# KiCad board HPM6750_COMBO_RevB .kicad_pcb (continued)
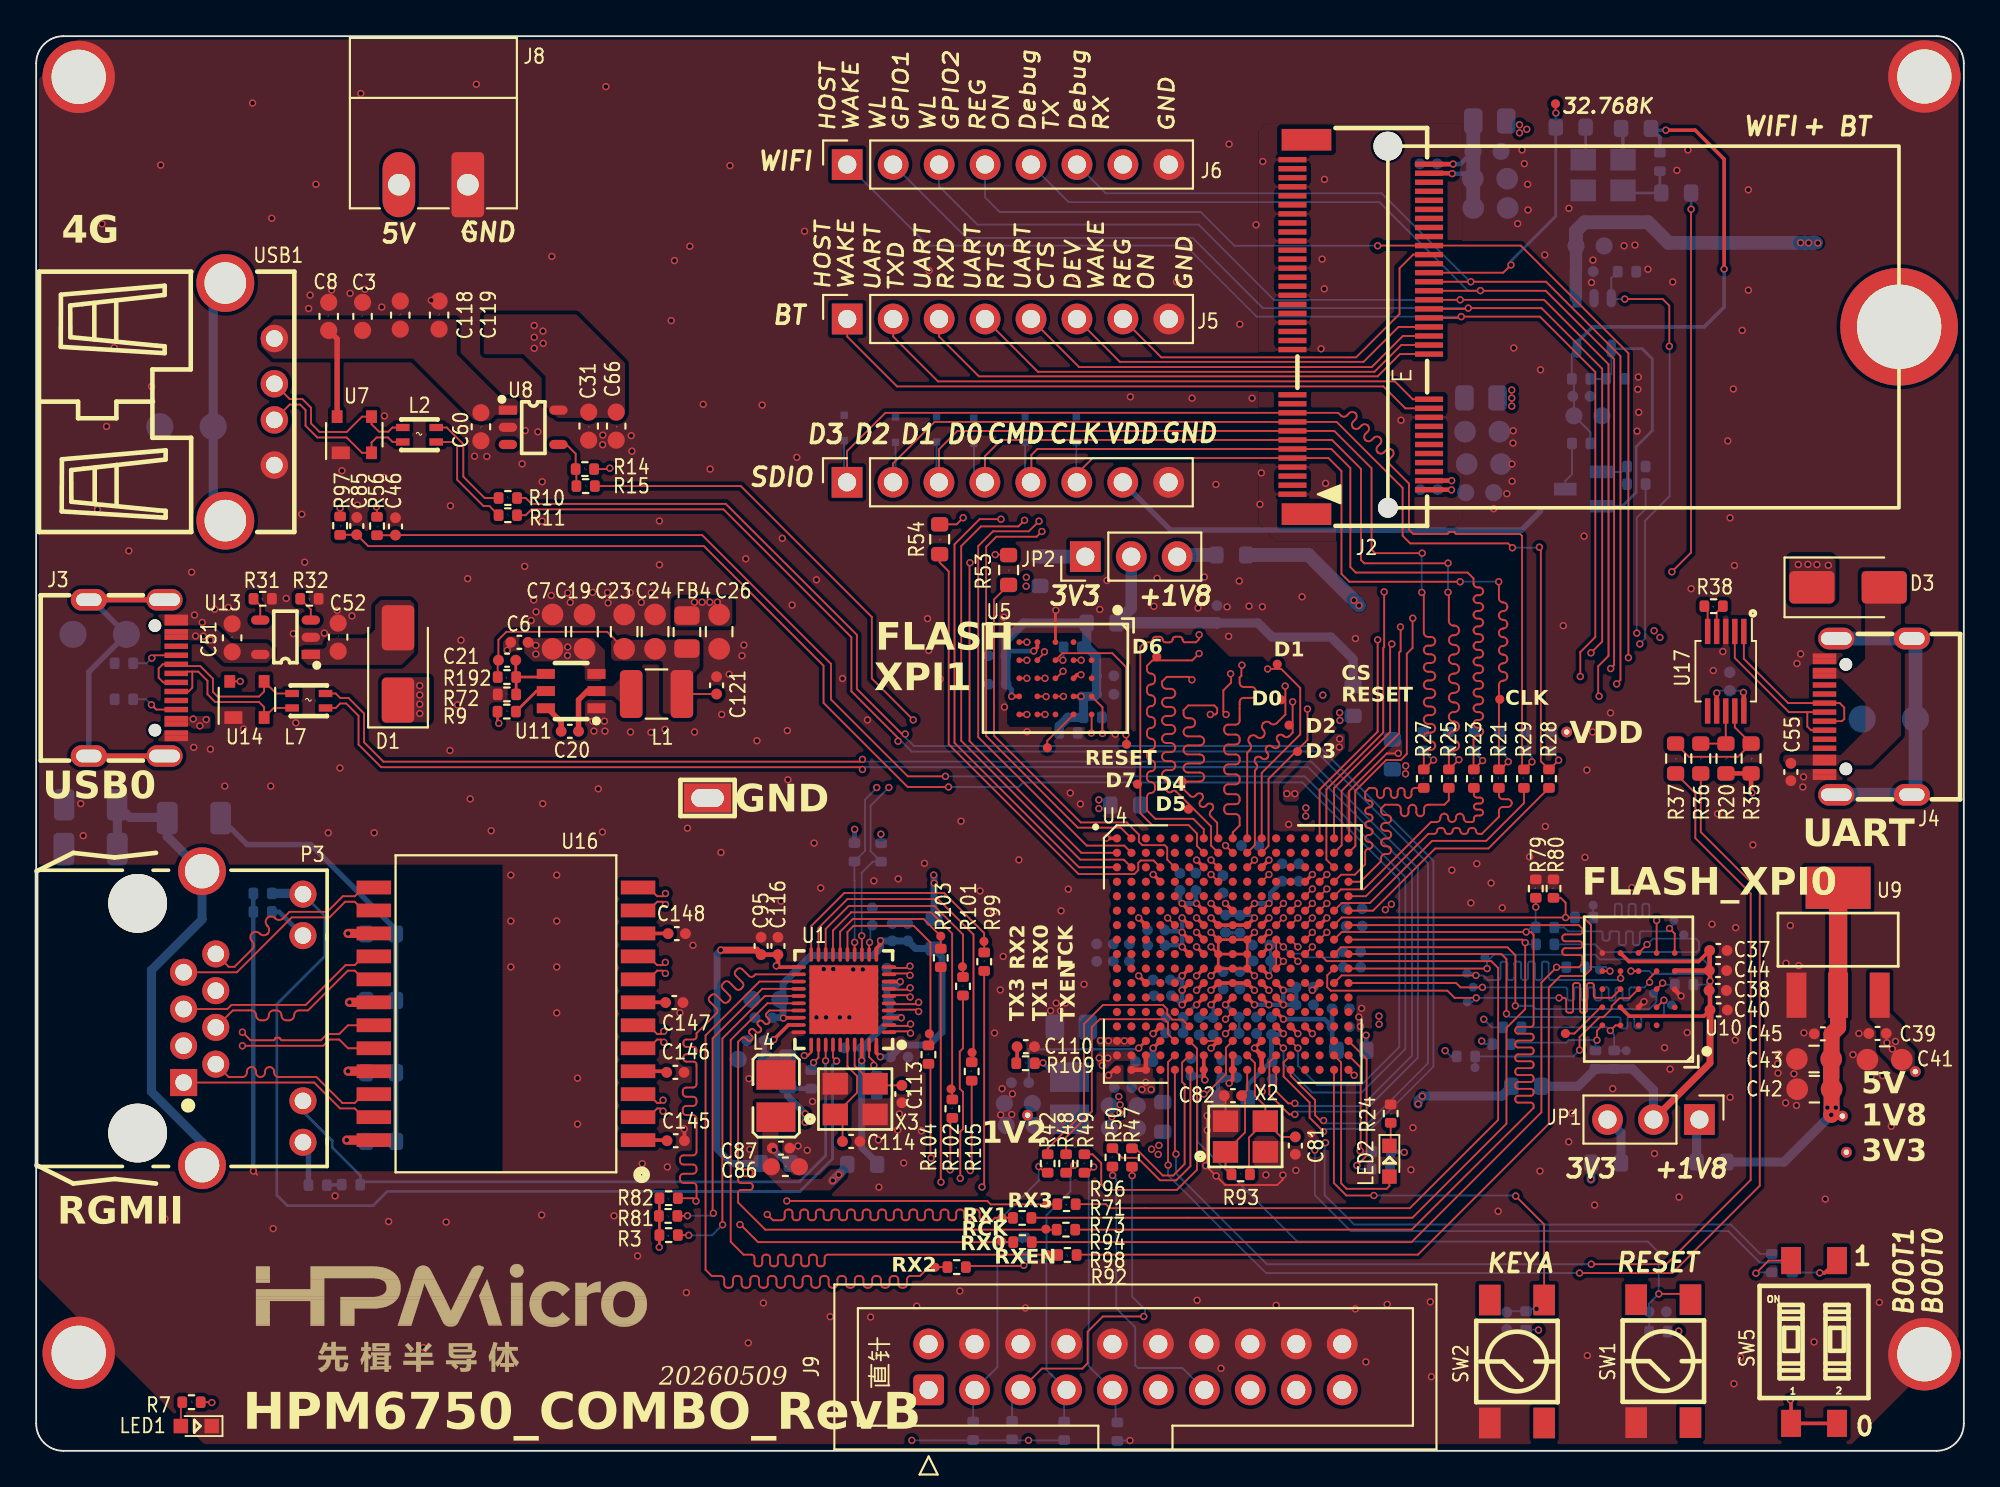
[diagram p0: board, top side]
## Library data of the parts
C1 C4 C6 C13 C15 C17 C20 C22 C33 C36-C40 C45 C46 C48 C49 C53 C54 C56 C58 C61 C68 C70 C72 C74 C77 C79 C84 C85 C87-C89 C91-C95 C97 C100 C101 C103-C105 C112 C117 C121 = -: Company: SAMSUNG(三星); Model: CL05B104KO5NNNC; ki_fp_filters: C_*
C2 C18 C25 C28 C30 C34 C44 C55 C59 C65 C67 C69 C71 C73 C76 C78 C80 C83 C106 C109 C122 = -: Company: SAMSUNG(三星); Model: CL05A106MP5NUNC; ki_fp_filters: C_*
C3 C8 C31 C51 C52 C60 C66 C118 C119 = -: Company: SAMSUNG(三星); Model: CL10A106KO8NQNC; ki_fp_filters: C_*
C5 C7 C9 C19 C23 C24 C26 C29 C32 C41-C43 = -: Company: SAMSUNG(三星); Model: CL21A226MOQNNNE; ki_fp_filters: C_*
C10 C35 = -: Company: FH(风华); Model: 0603X105K100NT
C16 C27 C115 = -: Company: SAMSUNG(三星); Model: CL05A475MP5NRNC; ki_fp_filters: C_*
C21 = -: Company: SAMSUNG(三星); Model: CL05C220JB5NNNC; ki_fp_filters: C_*
C47 C57 C149 C150 C161 = -: Company: FH(风华); Model: 1206B102K202NT; ki_fp_filters: C_*
C50 C62-C64 = -: ki_fp_filters: C_*
C75 C99 C116 = -: Company: SAMSUNG(三星); Model: CL05A226MQ6ZUN8; ki_fp_filters: C_*
C81 C82 = -: Company: YAGEO(国巨); Model: CC0402JRNPO9BN120; ki_fp_filters: C_*
C86 C90 C96 C98 C102 C111 C120 = -: Company: SAMSUNG(三星); Model: CL10A226MP8NUNE; ki_fp_filters: C_*
C107 C108 C145-C148 = -: Company: SAMSUNG(三星); Model: CL05B103KB5NNNC; ki_fp_filters: C_*
C110 = -: Company: SAMSUNG(三星); Model: CL05B222KB5NNNC; ki_fp_filters: C_*
C113 C114 = -: Company: YAGEO(国巨); Model: CC0402JRNPO9BN180; ki_fp_filters: C_*
D1 D3 = -: Company: YANGJIE(扬杰)
D4 D6-D10 = -: Company: DIODES(美台); Model: D1213A-01T-7; ki_fp_filters: TO-???* *_Diode_* *SingleDiode* D_*
FB1-FB3 FB5-FB8 = -: Company: Sunlord(顺络); Model: PZ1608D101-2R0TF; ki_fp_filters: Inductor_* L_* *Ferrite*
FB4 = -: Company: Sunlord(顺络); Model: PZ2012U101-2R0TF; ki_fp_filters: Inductor_* L_* *Ferrite*
FB9-FB12 = -: Company: muRata(村田); Model: BLM18KG601SN1D; ki_fp_filters: Inductor_* L_* *Ferrite*
H2-H5 = -: ki_fp_filters: MountingHole*Pad*
J1 J5 J6 = -: Company: BOOMELE(博穆精密); Model: 2.54-1*8P母; ki_fp_filters: Connector*:*_1x??_*
J2 = -: Company: FOXCONN(富士康)
J3 J4 = -: Company: kinghelm(金航标); Model: KH-TYPE-C-16P
J7 = -: ASSY_OPT: DNP; Company: Keystone; Model: 4952
J8 = -: Company: KEFA(科发); Model: KF2EDGR-3.81-2P; ki_fp_filters: Connector*:*_1x??_*
J9 = -: Company: BOOMELE(博穆精密); Model: 2.54-2*10P简牛; ki_fp_filters: IDC*Header*P2.54mm* PinHeader*2x10*P2.54mm*
JP1 JP2 = -: Model: 跳帽; ki_fp_filters: Jumper* TestPoint*3Pads* TestPoint*Bridge*
L1 = -: Company: muRata(村田); Model: DFE322512F-4R7M=P2
L2 L7 = -: Company: muRata(村田)
L3 L4 = -: Company: muRata(村田); Model: DFE252010F-4R7M
LED1 = -: Company: 国星光电; Model: NCD0603R1
LED2 = -: Company: 国星光电; Model: NCD0603C1
P3 = -: Company: BOOMELE(博穆精密); Model: RJ45-B-1*1
Q1 = -: Company: CJ(江苏长电/长晶)
R2 R8 R16-R19 = -: Company: UNI-ROYAL(厚声); Model: 0402WGF3002TCE; ki_fp_filters: R_*
R3 R74 R76 R77 R79-R83 R91 R154 R156 = -: Company: UNI-ROYAL(厚声); Model: 0402WGF4701TCE; ki_fp_filters: R_*
R4 R9 R12-R14 R22 R26 R31 R39 R41 R57 R59-R61 R72 R75 = -: Company: UNI-ROYAL(厚声); Model: 0402WGF1002TCE; ki_fp_filters: R_*
R7 = -: Company: UNI-ROYAL(厚声); Model: 0402WGF1001TCE; ki_fp_filters: R_*
R10 R11 R84-R90 R98 = -: Company: YAGEO(国巨); Model: RC0402JR-070RL; ki_fp_filters: R_*
R15 = -: ASSY_OPT: DNP; Company: YAGEO(国巨); Model: RC0402JR-070RL; ki_fp_filters: R_*
R20 R35 = -: Company: YAGEO; Model: RC0603FR-0710KL; ki_fp_filters: R_*
R21 R23 R25 R27-R29 = -: Company: UNI-ROYAL(厚声); Model: 0402WGF330JTCE; ki_fp_filters: R_*
R24 R38 = -: Company: UNI-ROYAL(厚声); Model: 0402WGF2001TCE; ki_fp_filters: R_*
R30 = -: Company: UNI-ROYAL(厚声); Model: 0402WGF1602TCE; ki_fp_filters: R_*
R32 R155 R157 = -: Company: UNI-ROYAL(厚声); Model: 0402WGF3300TCE; ki_fp_filters: R_*
R33 R34 = -: ASSY_OPT: DNP; Company: UNI-ROYAL(厚声); Model: 0402WGF5101TCE; ki_fp_filters: R_*
R36 R37 = -: Company: UNI-ROYAL(厚声); Model: 0603WAF100JT5E
R40 R69 = -: Company: YAGEO(国巨); Model: RC0402FR-0710K5L; ki_fp_filters: R_*
R42 R44 R47-R51 R448-R450 = -: ki_fp_filters: R_*
R43 = -: Company: UNI-ROYAL(厚声); Model: 0402WGF5101TCE; ki_fp_filters: R_*
R45 R95 R192 = -: Company: UNI-ROYAL(厚声); Model: 0402WGF1003TCE; ki_fp_filters: R_*
R46 R53 R54 R58 R62-R64 R67 R68 = -: Company: UNI-ROYAL(厚声); Model: 0603WAF0000T5E; ki_fp_filters: R_*
R56 R97 R109 = -: Company: UNI-ROYAL(厚声); Model: 0402WGF100JTCE; ki_fp_filters: R_*
R65 R66 R100 = -: Company: FH(风华); Model: RS-05000JT; ki_fp_filters: R_*
R70 = -: Company: YAGEO; Model: RC0603FR-07100RL; ki_fp_filters: R_*
R71 R73 R92 R94 R96 R99 R101-R105 = -: Company: UNI-ROYAL(厚声); Model: 0402WGF220JTCE; ki_fp_filters: R_*
R78 = -: Company: FH(风华); Model: RC-02W2491FT; ki_fp_filters: R_*
R93 = -: Company: UNI-ROYAL(厚声); Model: CQ02WGJ0105TCE; ki_fp_filters: R_*
R158-R161 = -: Company: UNI-ROYAL(厚声); Model: 0603WAF750JT5E; ki_fp_filters: R_*
SW1 = -: Company: E-Switch; Model: TL3305AF260QG
SW2 = -: Company: SHOU HAN(首韩); Model: TS4540TP
SW5 = -: Company: 圜达; Model: DM-02-V
TP1-TP22 TP24-TP27 TP32-TP47 = -: ki_fp_filters: Pin* Test*
U3 = -: Company: 思瑞浦-3PEAK
U5 U10 = -: Company: Winbond; ki_fp_filters: BGA24C100P5X5_600X800X120
U7 = -: Company: TECH PUBLIC(台舟)
U8 = -: Company: DIODES(美台)
U9 = -: Company: UMW(友台半导体); ki_fp_filters: SOT?223*TabPin2*
U11 = -: Company: TI(德州仪器)
U13 = -: Company: 平芯微
U14 = -: COMPONENTLINK1DESCRIPTION: ErpDataInfo; COMPONENTLINK1URL: http://erp.zlgmcu.com/ErpExt/ErpData/ListMateriel.aspx?pkey=1.05.10.0153; Company: TECH PUBLIC(台舟); ROHS: RoHS; 厂商: NXP; 名称: 集成电路; 器件优选方案: 量产物料,优先选用; 封装: SOT-143B; 物料代码: 1.05.10.0153; 设备封装名称: SOT-143B_PRTR5V0U2X; 贴片和直插: SMT
U16 = -: Company: PULSE; Model: H5007NL
U17 = -: Company: WCH(南京沁恒); ki_fp_filters: MSOP*3x3mm*P0.5mm*
X1 = -: Company: YXC(扬兴晶振); Model: OK322532.768KJBA4SL
X2 = -: Company: EPSON(爱普生); Model: X1E0000210129
X3 = -: Company: YXC(扬兴晶振); Model: X322525MOB4SI

## Footprints (pads in the part's own frame, mm; a bottom-side part is the same pattern mirrored in y, then rotated)
3225
  rect 1.4x1.2 smd: 1(-1.1,-0.85) 2(1.1,-0.85) 3(1.1,0.85) 4(-1.1,0.85)
BGA-289_17x17_14.0x14.0mm_P0.8mm
  round 0.45 smd: A1(-6.4,6.4) A2(-5.6,6.4) A3(-4.8,6.4) A4(-4,6.4) A5(-3.2,6.4) A6(-2.4,6.4) A7(-1.6,6.4) A8(-0.8,6.4) A9(0,6.4) A10(0.8,6.4) A11(1.6,6.4) A12(2.4,6.4) A13(3.2,6.4) A14(4,6.4) A15(4.8,6.4) A16(5.6,6.4) A17(6.4,6.4) B1(-6.4,5.6) B2(-5.6,5.6) B3(-4.8,5.6) B4(-4,5.6) B5(-3.2,5.6) B6(-2.4,5.6) B7(-1.6,5.6) B8(-0.8,5.6) B9(0,5.6) B10(0.8,5.6) B11(1.6,5.6) B12(2.4,5.6) B13(3.2,5.6) B14(4,5.6) B15(4.8,5.6) B16(5.6,5.6) B17(6.4,5.6) C1(-6.4,4.8) C2(-5.6,4.8) C3(-4.8,4.8) C4(-4,4.8) C5(-3.2,4.8) C6(-2.4,4.8) C7(-1.6,4.8) C8(-0.8,4.8) C9(0,4.8) C10(0.8,4.8) C11(1.6,4.8) C12(2.4,4.8) C13(3.2,4.8) C14(4,4.8) C15(4.8,4.8) C16(5.6,4.8) C17(6.4,4.8) D1(-6.4,4) D2(-5.6,4) D3(-4.8,4) D4(-4,4) D5(-3.2,4) D6(-2.4,4) D7(-1.6,4) D8(-0.8,4) D9(0,4) D10(0.8,4) D11(1.6,4) D12(2.4,4) D13(3.2,4) D14(4,4) D15(4.8,4) D16(5.6,4) D17(6.4,4) E1(-6.4,3.2) E2(-5.6,3.2) E3(-4.8,3.2) E4(-4,3.2) E5(-3.2,3.2) E6(-2.4,3.2) E7(-1.6,3.2) E8(-0.8,3.2) E9(0,3.2) E10(0.8,3.2) E11(1.6,3.2) E12(2.4,3.2) E13(3.2,3.2) E14(4,3.2) E15(4.8,3.2) E16(5.6,3.2) E17(6.4,3.2) F1(-6.4,2.4) F2(-5.6,2.4) F3(-4.8,2.4) F4(-4,2.4) F5(-3.2,2.4) F6(-2.4,2.4) F7(-1.6,2.4) F8(-0.8,2.4) F9(0,2.4) F10(0.8,2.4) F11(1.6,2.4) F12(2.4,2.4) F13(3.2,2.4) F14(4,2.4) F15(4.8,2.4) F16(5.6,2.4) F17(6.4,2.4) G1(-6.4,1.6) G2(-5.6,1.6) G3(-4.8,1.6) G4(-4,1.6) G5(-3.2,1.6) G6(-2.4,1.6) G7(-1.6,1.6) G8(-0.8,1.6) G9(0,1.6) G10(0.8,1.6) G11(1.6,1.6) G12(2.4,1.6) G13(3.2,1.6) G14(4,1.6) G15(4.8,1.6) G16(5.6,1.6) G17(6.4,1.6) H1(-6.4,0.8) H2(-5.6,0.8) H3(-4.8,0.8) H4(-4,0.8) H5(-3.2,0.8) H6(-2.4,0.8) H7(-1.6,0.8) H8(-0.8,0.8) H9(0,0.8) H10(0.8,0.8) H11(1.6,0.8) H12(2.4,0.8) H13(3.2,0.8) H14(4,0.8) H15(4.8,0.8) H16(5.6,0.8) H17(6.4,0.8) J1(-6.4,0) J2(-5.6,0) J3(-4.8,0) J4(-4,0) J5(-3.2,0) J6(-2.4,0) J7(-1.6,0) J8(-0.8,0) J9(0,0) J10(0.8,0) J11(1.6,0) J12(2.4,0) J13(3.2,0) J14(4,0) J15(4.8,0) J16(5.6,0) J17(6.4,0) K1(-6.4,-0.8) K2(-5.6,-0.8) K3(-4.8,-0.8) K4(-4,-0.8) K5(-3.2,-0.8) K6(-2.4,-0.8) K7(-1.6,-0.8) K8(-0.8,-0.8) K9(0,-0.8) K10(0.8,-0.8) K11(1.6,-0.8) K12(2.4,-0.8) K13(3.2,-0.8) K14(4,-0.8) K15(4.8,-0.8) K16(5.6,-0.8) K17(6.4,-0.8) L1(-6.4,-1.6) L2(-5.6,-1.6) L3(-4.8,-1.6) L4(-4,-1.6) L5(-3.2,-1.6) L6(-2.4,-1.6) L7(-1.6,-1.6) L8(-0.8,-1.6) L9(0,-1.6) L10(0.8,-1.6) L11(1.6,-1.6) L12(2.4,-1.6) L13(3.2,-1.6) L14(4,-1.6) L15(4.8,-1.6) L16(5.6,-1.6) L17(6.4,-1.6) M1(-6.4,-2.4) M2(-5.6,-2.4) M3(-4.8,-2.4) M4(-4,-2.4) M5(-3.2,-2.4) M6(-2.4,-2.4) M7(-1.6,-2.4) M8(-0.8,-2.4) M9(0,-2.4) M10(0.8,-2.4) M11(1.6,-2.4) M12(2.4,-2.4) M13(3.2,-2.4) M14(4,-2.4) M15(4.8,-2.4) M16(5.6,-2.4) M17(6.4,-2.4) N1(-6.4,-3.2) N2(-5.6,-3.2) N3(-4.8,-3.2) N4(-4,-3.2) N5(-3.2,-3.2) N6(-2.4,-3.2) N7(-1.6,-3.2) N8(-0.8,-3.2) N9(0,-3.2) N10(0.8,-3.2) N11(1.6,-3.2) N12(2.4,-3.2) N13(3.2,-3.2) N14(4,-3.2) N15(4.8,-3.2) N16(5.6,-3.2) N17(6.4,-3.2) P1(-6.4,-4) P2(-5.6,-4) P3(-4.8,-4) P4(-4,-4) P5(-3.2,-4) P6(-2.4,-4) P7(-1.6,-4) P8(-0.8,-4) P9(0,-4) P10(0.8,-4) P11(1.6,-4) P12(2.4,-4) P13(3.2,-4) P14(4,-4) P15(4.8,-4) P16(5.6,-4) P17(6.4,-4) R1(-6.4,-4.8) R2(-5.6,-4.8) R3(-4.8,-4.8) R4(-4,-4.8) R5(-3.2,-4.8) R6(-2.4,-4.8) R7(-1.6,-4.8) R8(-0.8,-4.8) R9(0,-4.8) R10(0.8,-4.8) R11(1.6,-4.8) R12(2.4,-4.8) R13(3.2,-4.8) R14(4,-4.8) R15(4.8,-4.8) R16(5.6,-4.8) R17(6.4,-4.8) T1(-6.4,-5.6) T2(-5.6,-5.6) T3(-4.8,-5.6) T4(-4,-5.6) T5(-3.2,-5.6) T6(-2.4,-5.6) T7(-1.6,-5.6) T8(-0.8,-5.6) T9(0,-5.6) T10(0.8,-5.6) T11(1.6,-5.6) T12(2.4,-5.6) T13(3.2,-5.6) T14(4,-5.6) T15(4.8,-5.6) T16(5.6,-5.6) T17(6.4,-5.6) U1(-6.4,-6.4) U2(-5.6,-6.4) U3(-4.8,-6.4) U4(-4,-6.4) U5(-3.2,-6.4) U6(-2.4,-6.4) U7(-1.6,-6.4) U8(-0.8,-6.4) U9(0,-6.4) U10(0.8,-6.4) U11(1.6,-6.4) U12(2.4,-6.4) U13(3.2,-6.4) U14(4,-6.4) U15(4.8,-6.4) U16(5.6,-6.4) U17(6.4,-6.4)
C_0402
  round 0.635 smd: 1(-0.508,0) 2(0.508,0)
C_0402_1005Metric
  round 0.6 smd: 1(-0.48,0) 2(0.48,0)
C_0603_1608Metric
  round 0.95 smd: 1(-0.775,0) 2(0.775,0)
C_0805_2012Metric
  round 1.2 smd: 1(-0.95,0) 2(0.95,0)
C_1206_3216Metric
  rrect 1.15x1.8 smd: 1(-1.475,0) 2(1.475,0)
C_1206_3216Metric#2
  round 1.5 smd: 1(-1.475,0) 2(1.475,0)
D_SMA
  rrect 2.5x1.8 smd: 1(-2,0) 2(2,0)
FIX-4mm
  round 4 hole 3: 1(0,0)
IDC-Header_2x10_P2.54mm
  rrect 1.7x1.7 hole 1: 1(0,0)
  round 1.7 hole 1: 2(2.54,0) 3(0,-2.54) 4(2.54,-2.54) 5(0,-5.08) 6(2.54,-5.08) 7(0,-7.62) 8(2.54,-7.62) 9(0,-10.16) 10(2.54,-10.16) 11(0,-12.7) 12(2.54,-12.7) 13(0,-15.24) 14(2.54,-15.24) 15(0,-17.78) 16(2.54,-17.78) 17(0,-20.32) 18(2.54,-20.32) 19(0,-22.86) 20(2.54,-22.86)
L1008
  rect 1.635x2.16 smd: 1(-1.168,0) 2(1.168,0)
L2012
  rect 0.4x0.75 smd: 1(-0.4,-0.925) 2(-0.4,0.925) 3(0.4,0.925) 4(0.4,-0.925)
L_1210_3225Metric
  rrect 1.25x2.65 smd: 1(-1.4,0) 2(1.4,0)
LED_0603
  rect 0.8x0.8 smd: 1(0.851,0) 2(-0.851,0)
MSOP-10
  rect 1.4x0.3 smd: 1(-2.2,1) 2(-2.2,0.5) 3(-2.2,0) 4(-2.2,-0.5) 5(-2.2,-1) 6(2.2,-1) 7(2.2,-0.5) 8(2.2,0) 9(2.2,0.5) 10(2.2,1)
PhoenixContact_MC_1,5_2-G-3.81_1x02_P3.81mm_Horizontal
  rrect 1.8x3.6 hole 1.2: 1(0,0)
  oval 1.8x3.6 hole 1.2: 2(3.81,0)
PinHeader_1x03_P2.54mm_Vertical
  rect 1.7x1.7 hole 1: 1(0,0)
  oval 1.7x1.7 hole 1: 2(0,-2.54) 3(0,-5.08)
PinSocket_1x08_P2.54mm_Vertical
  rect 1.7x1.7 hole 1: 1(0,0)
  oval 1.7x1.7 hole 1: 2(0,-2.54) 3(0,-5.08) 4(0,-7.62) 5(0,-10.16) 6(0,-12.7) 7(0,-15.24) 8(0,-17.78)
PULSE_H5007NL
  rect 1.905x0.76 smd: 1(-7.303,6.985) 2(-7.303,5.715) 3(-7.303,4.445) 4(-7.303,3.175) 5(-7.303,1.905) 6(-7.303,0.635) 7(-7.303,-0.635) 8(-7.303,-1.905) 9(-7.303,-3.175) 10(-7.303,-4.445) 11(-7.303,-5.715) 12(-7.303,-6.985) 13(7.303,-6.985) 14(7.303,-5.715) 15(7.303,-4.445) 16(7.303,-3.175) 17(7.303,-1.905) 18(7.303,-0.635) 19(7.303,0.635) 20(7.303,1.905) 21(7.303,3.175) 22(7.303,4.445) 23(7.303,5.715) 24(7.303,6.985)
R_0402_1005Metric
  rrect 0.54x0.64 smd: 1(-0.51,0) 2(0.51,0)
R_0603_1608Metric
  rrect 0.8x0.95 smd: 1(-0.825,0) 2(0.825,0)
R_0805_2012Metric
  rrect 1.025x1.4 smd: 1(-0.912,0) 2(0.912,0)
R_1206_3216Metric
  rrect 1.125x1.75 smd: 1(-1.462,0) 2(1.462,0)
RJ45-TH_B-1-1
  round 3.25 hole 3.25 unplated: (-6.35,-5.839) (6.35,-5.839)
  round 2.642 hole 1.9: 0(-8.13,-2.279) 0(8.13,-2.279)
  rect 1.499x1.499 hole 0.914: 1(3.556,-3.299)
  round 1.499 hole 0.914: 2(2.54,-1.519) 3(1.524,-3.299) 4(0.508,-1.519) 5(-0.508,-3.299) 6(-1.524,-1.519) 7(-2.54,-3.299) 8(-3.556,-1.519) 9(6.861,3.299) 10(4.569,3.299) 11(-4.569,3.299) 12(-6.861,3.299)
S0BC21-S48BE-7H
  round 1.1 hole 1.1 unplated: (-10,-1.5)
  round 1.6 hole 1.6 unplated: (10,-1.5)
  rect 0.3x1.55 smd: 1(-9.25,3.775) 2(-9,-3.775) 3(-8.75,3.775) 4(-8.5,-3.775) 5(-8.25,3.775) 6(-8,-3.775) 7(-7.75,3.775) 8(-7.5,-3.775) 9(-7.25,3.775) 10(-7,-3.775) 11(-6.75,3.775) 12(-6.5,-3.775) 13(-6.25,3.775) 14(-6,-3.775) 15(-5.75,3.775) 16(-5.5,-3.775) 17(-5.25,3.775) 18(-5,-3.775) 19(-4.75,3.775) 20(-4.5,-3.775) 21(-4.25,3.775) 22(-4,-3.775) 23(-3.75,3.775) 32(-1.5,-3.775) 33(-1.25,3.775) 34(-1,-3.775) 35(-0.75,3.775) 36(-0.5,-3.775) 37(-0.25,3.775) 38(0,-3.775) 39(0.25,3.775) 40(0.5,-3.775) 41(0.75,3.775) 42(1,-3.775) 43(1.25,3.775) 44(1.5,-3.775) 45(1.75,3.775) 46(2,-3.775) 47(2.25,3.775) 48(2.5,-3.775) 49(2.75,3.775) 50(3,-3.775) 51(3.25,3.775) 52(3.5,-3.775) 53(3.75,3.775) 54(4,-3.775) 55(4.25,3.775) 56(4.5,-3.775) 57(4.75,3.775) 58(5,-3.775) 59(5.25,3.775) 60(5.5,-3.775) 61(5.75,3.775) 62(6,-3.775) 63(6.25,3.775) 64(6.5,-3.775) 65(6.75,3.775) 66(7,-3.775) 67(7.25,3.775) 68(7.5,-3.775) 69(7.75,3.775) 70(8,-3.775) 71(8.25,3.775) 72(8.5,-3.775) 73(8.75,3.775) 74(9,-3.775) 75(9.25,3.775)
  rect 1.2x2.75 smd: 76(10.35,3) 77(-10.35,3)
  round 6.5 hole 4.66: 78(0.01,-29.76)
SOD_523_1P4
  rect 0.406x0.406 smd: 1(-0.7,0.001) 2(0.7,0.001)
SOT-23
  rect 1.25x0.7 smd: 1(1,-0.95) 2(1,0.95) 3(-1,0)
SOT-23-5
  rect 1.016x0.508 smd: 1(-1.397,0.95)
  oval 1.016x0.508 smd: 2(-1.397,0) 3(-1.397,-0.95) 4(1.397,-0.95) 5(1.397,0.95)
SOT-23-6
  rect 1x0.55 smd: 1(-1.41,1.195) 2(-1.41,0.245) 3(-1.41,-0.705) 4(1.39,-0.705) 5(1.39,0.245) 6(1.39,1.195)
SOT-143
  rect 0.7x1 smd: 1(-1,0.75)
  rect 0.7x0.6 smd: 2(-1,-0.95) 3(1,-0.95) 4(1,0.95)
SOT-223-3
  rect 2.5x1.1 smd: 1(2.97,-2.3) 2(2.97,0) 3(2.97,2.3)
  rect 2.34x3.6 smd: 2(-2.97,0)
SW-SMD_DM-02-V
  rect 1.1x1.501 smd: 1(-1.27,-4.501) 2(1.27,-4.501) 3(1.27,4.501) 4(-1.27,4.501)
Test_Point_D0.6mm
  round 0.6 hole 0.3: 1(0,0)
TestPoint_Pad_D0.5mm
  round 0.5 smd: 1(0,0)
TFBGA-24_W25Q32JVTB
  round 0.32 smd: A2(-1,2) A3(0,2) A4(1,2) A5(2,2) B1(-2,1) B2(-1,1) B3(0,1) B4(1,1) B5(2,1) C1(-2,0) C2(-1,0) C3(0,0) C4(1,0) C5(2,0) D1(-2,-1) D2(-1,-1) D3(0,-1) D4(1,-1) D5(2,-1) E1(-2,-2) E2(-1,-2) E3(0,-2) E4(1,-2) E5(2,-2)
TYPE-C-16P
  round 0.7 hole 0.7 unplated: (-2.89,1.235) (2.89,1.235)
  oval 1.2x2 hole 0.7x1.7: 1(-4.32,1.765) 2(4.32,1.765)
  oval 1.2x2 hole 0.7x1.4: 3(-4.32,-2.415) 4(4.32,-2.415)
  rect 0.3x1.3 smd: A1(-3.35,2.415) A4(-2.55,2.415) A5(-1.25,2.415) A6(-0.25,2.415) A7(0.25,2.415) A8(1.25,2.415) A9(2.55,2.415) A12(3.35,2.415) B1(3.05,2.415) B4(2.25,2.415) B5(1.75,2.415) B6(0.75,2.415) B7(-0.75,2.415) B8(-1.75,2.415) B9(-2.25,2.415) B12(-3.05,2.415)
USB-A-TH
  round 1.52 hole 0.92: 1(-3.5,1.355) 2(-1,1.355) 3(1,1.355) 4(3.5,1.355)
  round 3.2 hole 2.3: 5(-6.57,-1.355) 5(6.57,-1.355)
WQFN-40
  oval 0.2x0.8 smd: 1(-1.801,-2.499) 2(-1.4,-2.499) 3(-1.001,-2.499) 4(-0.599,-2.499) 5(-0.201,-2.499) 6(0.201,-2.499) 7(0.599,-2.499) 8(1.001,-2.499) 9(1.4,-2.499) 10(1.801,-2.499) 21(1.801,2.499) 22(1.4,2.499) 23(1.001,2.499) 24(0.599,2.499) 25(0.201,2.499) 26(-0.201,2.499) 27(-0.599,2.499) 28(-1.001,2.499) 29(-1.4,2.499) 30(-1.801,2.499)
  oval 0.8x0.2 smd: 11(2.499,-1.801) 12(2.499,-1.4) 13(2.499,-1.001) 14(2.499,-0.599) 15(2.499,-0.201) 16(2.499,0.201) 17(2.499,0.599) 18(2.499,1.001) 19(2.499,1.4) 20(2.499,1.801) 31(-2.499,1.801) 32(-2.499,1.4) 33(-2.499,1.001) 34(-2.499,0.599) 35(-2.499,0.201) 36(-2.499,-0.201) 37(-2.499,-0.599) 38(-2.499,-1.001) 39(-2.499,-1.4) 40(-2.499,-1.801)
  rect 3.8x3.8 smd: 41(0,0)
探针
  rect 2.601x1.6 hole 1.801x1.001: 1(0,0)
轻触开关SMD-4P,4.5x4.5mm
  rect 1.699x1.199 smd: 1(-3.401,-1.501) 2(3.401,-1.501) 3(3.401,1.501) 4(-3.401,1.501)

## Nets
+1V8: C42.1 C43.1 C45.1 FB2.1 FB7.1 TP5.1 U9.2
+3.3V: C1.2 C2.1 C13.2 C25.1 C26.1 C33.2 C34.1 C56.1 C59.1 C61.2 C67.1 C68.2 C69.1 C70.2 FB1.1 FB3.1 FB4.1 FB5.1 FB6.2 FB8.2 FB9.2 FB10.2 J9.1 R3.2 R7.2 R14.2 R20.2 R22.1 R35.2 R51.1 R57.1 R65.2 R66.2 R74.2 R75.1 R76.2 R77.2 R81.2 R82.2 R83.1 R448.1 R449.1 SW5.1 SW5.2 TP4.1 U4.F10 U4.F11 U4.G6 U4.H6 U4.J6 U4.K6 U4.L6 U4.L12 U4.M6 U4.M10 U4.M11 U4.M12 U4.R4 U4.T7 U4.T9 U4.U7 U4.U9 U17.7 U17.10
+5V: C6.1 C7.1 C19.1 C31.1 C39.1 C41.1 C50.1 C62.1 C66.1 D1.1 D3.1 J8.2 R9.1 R56.1 R97.1 TP2.1 U3.1 U8.5 U9.3 U11.3 U14.4
/01.MAIN/13.ETH_RGMII/1V0_RGMII_AVDD: C88.1 C99.1 C101.1 C104.1 FB12.1 U1.3 U1.8 U1.38
/01.MAIN/13.ETH_RGMII/1V0_RGMII_DVDD: C95.1 C116.1 FB11.1 U1.21
/01.MAIN/13.ETH_RGMII/3V3_RGMII_AVDD: C89.1 C98.1 FB10.1 U1.29
/01.MAIN/13.ETH_RGMII/3V3_RGMII_DVDD: C15.1 C75.1 C100.1 C103.1 C120.1 FB9.1 U1.11 U1.28 U1.40
/01.MAIN/13.ETH_RGMII/VDD10: C86.1 C87.1 FB11.2 FB12.2 L4.2
GND: C1.1 C2.2 C3.2 C4.2 C5.2 C6.2 C7.2 C8.2 C9.2 C10.2 C13.1 C15.2 C16.2 C17.2 C18.2 C19.2 C22.2 C23.2 C24.2 C25.2 C26.2 C27.2 C28.2 C29.2 C30.2 C31.2 C32.2 C33.1 C34.2 C35.2 C36.2 C37.2 C38.2 C39.2 C40.2 C41.2 C42.2 C43.2 C44.2 C45.2 C46.2 C47.2 C48.2 C49.2 C50.2 C51.2 C52.2 C53.2 C54.2 C55.2 C56.2 C57.1 C58.2 C59.2 C60.2 C61.1 C62.2 C63.2 C64.2 C65.2 C66.2 C67.2 C68.1 C69.2 C70.1 C71.2 C72.1 C73.2 C74.1 C75.2 C76.2 C77.1 C78.2 C79.1 C80.2 C81.2 C82.2 C83.2 C84.2 C85.2 C86.2 C87.2 C88.2 C89.2 C92.2 C93.2 C94.2 C95.2 C97.2 C98.2 C99.2 C100.2 C101.2 C102.2 C103.2 C104.2 C105.2 C106.2 C107.2 C108.2 C109.2 C110.2 C111.2 C112.2 C113.2 C114.2 C115.2 C116.2 C117.2 C118.2 C119.2 C120.2 C121.2 C122.2 C145.2 C146.2 C147.2 C148.2 C149.1 C161.1 D4.2 D6.2 D7.2 D8.2 D9.2 D10.2 H2.1 H3.1 H4.1 H5.1 J1.8 J2.1 J2.7 J2.18 J2.33 J2.39 J2.45 J2.51 J2.57 J2.63 J2.69 J2.75 J3.A1 J3.A12 J3.B1 J3.B12 J4.A1 J4.A12 J4.B1 J4.B12 J5.8 J6.8 J7.1 J8.1 J9.4 J9.6 J9.8 J9.10 J9.12 J9.14 J9.16 J9.18 J9.20 LED1.1 R24.1 R31.1 R32.1 R33.2 R34.2 R41.1 R43.1 R45.1 R72.1 R78.1 R79.2 R80.2 R91.2 R95.2 R100.1 R154.1 R155.2 R156.1 R157.2 R450.2 SW1.2 SW2.2 U1.41 U3.2 U4.A1 U4.A17 U4.C7 U4.C11 U4.D4 U4.D14 U4.G3 U4.G7 U4.G8 U4.G9 U4.G10 U4.G11 U4.G15 U4.H7 U4.H11 U4.J7 U4.J11 U4.K7 U4.K11 U4.L3 U4.L7 U4.L8 U4.L9 U4.L10 U4.L11 U4.L15 U4.P4 U4.P13 U4.P14 U4.R7 U4.R8 U4.R11 U4.T11 U4.U1 U4.U11 U4.U17 U5.B3 U5.C1 U5.E5 U7.1 U8.2 U9.1 U10.B3 U10.C1 U10.E5 U11.1 U13.2 U14.1 U17.3 USB1.4 X1.2 X2.2 X2.4 X3.2 X3.4
GND1: C149.2 C150.1 P3.0 R95.1
VDD_FALSH_XPI1: C30.1 JP2.2 R62.1 R63.2
VDD_FLASH_XPI0: C37.1 C38.1 C40.1 C44.1 C122.1 JP1.2 R4.1 R12.1 R13.1 R64.1 U10.B4 U10.D1 U10.E4
VDD_PMCCAP: C27.1 C36.1 U4.M9
VDD_SDIO_BT: C63.1 C64.1 J1.7 R2.2 R8.2 R16.2 R17.2 R18.2 R19.2 R30.2 R40.2 R46.1 R58.1 R68.2 R69.2 TP6.1 U3.5
VDD_SOC: C18.1 C28.1 C80.1 C83.1 C84.1 C92.1 C93.1 C94.1 C97.1 C102.1 C105.1 C111.1 L3.2 TP3.1 U4.H8 U4.H9 U4.H10 U4.J8 U4.J9 U4.J10 U4.K8 U4.K9 U4.K10 U4.R3
+5P: C3.1 C8.1 C60.1 C118.1 C119.1 U7.4 U8.1 USB1.1
/01.MAIN/02.MCU_POWER/VREFH: C108.1 C109.1 FB5.2 U4.P12
/01.MAIN/04.MCU_PA&PB/PA12: U4.L5
/01.MAIN/04.MCU_PA&PB/PA13: U4.L4
/01.MAIN/04.MCU_PA&PB/PA14: U4.L2
/01.MAIN/04.MCU_PA&PB/PA15: U4.L1
/01.MAIN/05.MCU_PB&PC&PD/VIO_B03: C71.1 C72.2 R58.2 U4.F6 U4.F7
/01.MAIN/05.MCU_PB&PC&PD/VIO_B04: C73.1 C74.2 R62.2 U4.F8 U4.F9
/01.MAIN/06.MCU_PE&PD/B06: C76.1 C77.2 R46.2 U4.F12 U4.G12
/01.MAIN/06.MCU_PE&PD/B07: C78.1 C79.2 R64.2 U4.H12 U4.J12 U4.K12
/01.MAIN/08.MCU_PY&PZ/BTPCAP: C115.1 C117.1 U4.M8
/01.MAIN/08.MCU_PY&PZ/OTPCAP: C16.1 C17.1 U4.M7
/01.MAIN/08.MCU_PY&PZ/PY8: U4.P5
/01.MAIN/08.MCU_PY&PZ/PY9: U4.N5
/01.MAIN/08.MCU_PY&PZ/PY10: U4.U4
/01.MAIN/08.MCU_PY&PZ/PY11: U4.T4
/01.MAIN/08.MCU_PY&PZ/PZ8: U4.N8
/01.MAIN/08.MCU_PY&PZ/PZ9: U4.P8
/01.MAIN/08.MCU_PY&PZ/PZ10: U4.N7
/01.MAIN/08.MCU_PY&PZ/PZ11: U4.P7
/01.MAIN/9.USB&4G/DN1: J3.A7 J3.B7 L7.1 U14.3
/01.MAIN/9.USB&4G/DP1: J3.A6 J3.B6 L7.4 U14.2
/01.MAIN/9.USB&4G/USB0+: L2.4 U7.2 USB1.3
/01.MAIN/9.USB&4G/USB0-: L2.1 U7.3 USB1.2
/01.MAIN/13.ETH_RGMII/G0_ACTIVITY: P3.10 R156.2 U1.33
/01.MAIN/13.ETH_RGMII/G0_DA+: P3.1 U16.23
/01.MAIN/13.ETH_RGMII/G0_DA-: P3.2 U16.22
/01.MAIN/13.ETH_RGMII/G0_DB+: P3.3 U16.20
/01.MAIN/13.ETH_RGMII/G0_DB-: P3.6 U16.19
/01.MAIN/13.ETH_RGMII/G0_DC+: P3.4 U16.17
/01.MAIN/13.ETH_RGMII/G0_DC-: P3.5 U16.16
/01.MAIN/13.ETH_RGMII/G0_DD+: P3.7 U16.14
/01.MAIN/13.ETH_RGMII/G0_DD-: P3.8 U16.13
/01.MAIN/13.ETH_RGMII/G0_LINK: P3.12 R154.2 U1.34
/01.MAIN/13.ETH_RGMII/G0_MDI0N: U1.2 U16.3
/01.MAIN/13.ETH_RGMII/G0_MDI0P: U1.1 U16.2
/01.MAIN/13.ETH_RGMII/G0_MDI1N: U1.5 U16.6
/01.MAIN/13.ETH_RGMII/G0_MDI1P: U1.4 U16.5
/01.MAIN/13.ETH_RGMII/G0_MDI2N: U1.7 U16.9
/01.MAIN/13.ETH_RGMII/G0_MDI2P: U1.6 U16.8
/01.MAIN/13.ETH_RGMII/G0_MDI3N: U1.10 U16.12
/01.MAIN/13.ETH_RGMII/G0_MDI3P: U1.9 U16.11
/01.MAIN/13.ETH_RGMII/RX0: R3.1 R94.2 TP33.1 U1.25
/01.MAIN/13.ETH_RGMII/RX1: R71.2 R81.1 TP34.1 U1.24
/01.MAIN/13.ETH_RGMII/RX2: R92.2 TP35.1 U1.23
/01.MAIN/13.ETH_RGMII/RX3: R82.1 R96.2 TP36.1 U1.22
/01.MAIN/13.ETH_RGMII/RXC: R73.2 TP37.1 U1.27
/01.MAIN/13.ETH_RGMII/RXEN: R98.2 TP38.1 U1.26
/01.MAIN/13.ETH_RGMII/XTAL_IN: C114.1 U1.36 X3.1
/01.MAIN/13.ETH_RGMII/XTAL_OUT: C113.1 U1.37 X3.3
/01.MAIN/14.UART/DN: J4.A7 J4.B7 U17.2
/01.MAIN/14.UART/DP: J4.A6 J4.B6 U17.1
/01.MAIN/15.WIFI_BT/32.768K: J2.50 R67.2 TP1.1
/01.MAIN/15.WIFI_BT/CLK: D4.1 J1.6 J2.9 R19.1 R21.2 TP32.1
/01.MAIN/15.WIFI_BT/CMD: D6.1 J1.5 J2.11 R2.1 R23.2
/01.MAIN/15.WIFI_BT/DATA_0: D7.1 J1.4 J2.13 R8.1 R25.2
/01.MAIN/15.WIFI_BT/DATA_1: D8.1 J1.3 J2.15 R16.1 R27.2
/01.MAIN/15.WIFI_BT/DATA_2: D9.1 J1.2 J2.17 R17.1 R28.2
/01.MAIN/15.WIFI_BT/DATA_3: D10.1 J1.1 J2.19 R18.1 R29.2
/01.MAIN/15.WIFI_BT/RX: J2.32 J5.3 R54.1
/01.MAIN/15.WIFI_BT/TX: J2.22 J5.2 R53.1
/01.MAIN/16.FLASH_XPI0/Flash_D4: R86.1 TP12.1 U10.D5
/01.MAIN/16.FLASH_XPI0/Flash_D5: R88.2 TP13.1 U10.E3
/01.MAIN/16.FLASH_XPI0/Flash_D6: R87.2 TP14.1 U10.E2
/01.MAIN/16.FLASH_XPI0/Flash_D7: R89.2 TP15.1 U10.E1
/01.MAIN/16.FLASH_XPI0/Flash_DQS: R90.2 TP16.1 U10.C3
/01.MAIN/16.FLASH_XPI0/Flash_ERR#: R12.2 R84.1 U10.A5
/01.MAIN/16.FLASH_XPI0/Flash_RESET#: R4.2 R85.2 TP18.1 U10.A4
/01.MAIN/PA0: U4.P3
/01.MAIN/PA1: U4.P2
/01.MAIN/PA2: U4.P1
/01.MAIN/PA3: U4.N4
/01.MAIN/PA4: U4.N3
/01.MAIN/PA5: U4.N2
/01.MAIN/PA6: U4.N1
/01.MAIN/PA7: U4.M5
/01.MAIN/PA8: U4.M4
/01.MAIN/PA9: U4.M3
/01.MAIN/PA10: U4.M2
/01.MAIN/PA11: U4.M1
/01.MAIN/PA16: U4.K5
/01.MAIN/PA17: U4.K4
/01.MAIN/PA18: U4.K3
/01.MAIN/PA19: U4.K2
/01.MAIN/PA20: U4.K1
/01.MAIN/PA21: U4.J5
/01.MAIN/PA22: U4.J4
/01.MAIN/PA23: U4.J3
/01.MAIN/PA24: U4.J2
/01.MAIN/PA25: U4.J1
/01.MAIN/PA26: U4.H5
/01.MAIN/PA27: U4.H4
/01.MAIN/PA28: U4.H3
/01.MAIN/PA29: U4.H2
/01.MAIN/PA30: U4.H1
/01.MAIN/PA31: R15.2 U4.G5
/01.MAIN/PB0: U4.G4
/01.MAIN/PB1: U4.G2
/01.MAIN/PB2: U4.G1
/01.MAIN/PB3: U4.F5
/01.MAIN/PB4: U4.F4
/01.MAIN/PB5: U4.F3
/01.MAIN/PB6: U4.F2
/01.MAIN/PB7: U4.F1
/01.MAIN/PB8: U4.E4
/01.MAIN/PB9: U4.E3
/01.MAIN/PB10: U4.E2
/01.MAIN/PB11: U4.E1
/01.MAIN/PB12: U4.D3
/01.MAIN/PB13: U4.D2
/01.MAIN/PB14: U4.D1
/01.MAIN/PB15: J2.34 J5.4 U4.C1
/01.MAIN/PB16: J2.20 J5.1 U4.B1
/01.MAIN/PB17: J2.36 J5.5 U4.C2
/01.MAIN/PB18: J2.38 J5.6 U4.B2
/01.MAIN/PB19: J2.54 J5.7 U4.A2
/01.MAIN/PB20: U4.C3
/01.MAIN/PB21: U4.B3
/01.MAIN/PB22: U4.A3
/01.MAIN/PB23: R54.2 U4.C4
/01.MAIN/PB24: U4.B4
/01.MAIN/PB25: U4.A4
/01.MAIN/PB26: U4.E5
/01.MAIN/PB27: U4.D5
/01.MAIN/PB28: R53.2 U4.C5
/01.MAIN/PB29: U4.B5
/01.MAIN/PB30: U4.A5
/01.MAIN/PB31: U4.E6
/01.MAIN/PC0: U4.D6
/01.MAIN/PC1: U4.C6
/01.MAIN/PC2: U4.B6
/01.MAIN/PC3: U4.A6
/01.MAIN/PC4: U4.E7
/01.MAIN/PC5: U4.D7
/01.MAIN/PC6: TP27.1 U4.B7 U5.E1
/01.MAIN/PC7: TP26.1 U4.A7 U5.E2
/01.MAIN/PC8: U4.E8
/01.MAIN/PC9: R60.2 U4.D8 U5.A5
/01.MAIN/PC10: R59.2 U4.C8 U5.A4
/01.MAIN/PC11: TP25.1 U4.B8 U5.E3
/01.MAIN/PC12: TP24.1 U4.A8 U5.D5
/01.MAIN/PC13: U4.E9
/01.MAIN/PC14: U4.D9
/01.MAIN/PC16: R61.2 TP45.1 U4.B9 U5.C2
/01.MAIN/PC18: U4.E10
/01.MAIN/PC19: U4.D10
/01.MAIN/PC20: U4.C10 U5.C3
/01.MAIN/PC21: TP21.1 U4.B10 U5.C4
/01.MAIN/PC22: TP19.1 U4.A10 U5.D3
/01.MAIN/PC23: U4.E11
/01.MAIN/PC24: U4.D11
/01.MAIN/PC25: TP22.1 U4.B11 U5.D4
/01.MAIN/PC26: TP20.1 U4.A11 U5.D2
/01.MAIN/PC27: U4.E12
/01.MAIN/PC28: U4.D12
/01.MAIN/PC29: U4.C12
/01.MAIN/PC30: U4.B12
/01.MAIN/PC31: U4.A12
/01.MAIN/PD0: U4.E13
/01.MAIN/PD1: U4.D13
/01.MAIN/PD2: U4.C13
/01.MAIN/PD3: U4.B13
/01.MAIN/PD4: U4.A13
/01.MAIN/PD5: U4.C14
/01.MAIN/PD6: U4.B14
/01.MAIN/PD7: U4.A14
/01.MAIN/PD8: U4.C15
/01.MAIN/PD9: U4.B15
/01.MAIN/PD10: R44.2 U4.A15
/01.MAIN/PD11: R70.2 U4.C16
/01.MAIN/PD12: R76.1 U1.13 U4.B16
/01.MAIN/PD13: R41.2 U3.3 U4.A16
/01.MAIN/PD14: U4.C17
/01.MAIN/PD15: R77.1 U1.14 U4.B17
/01.MAIN/PD16: J2.56 J6.4 U4.D15
/01.MAIN/PD17: R27.1 U4.D16
/01.MAIN/PD18: R25.1 U4.D17
/01.MAIN/PD19: J2.42 J6.2 U4.E14
/01.MAIN/PD20: J2.40 J6.1 U4.E15
/01.MAIN/PD21: R23.1 U4.E16
/01.MAIN/PD22: R21.1 U4.E17
/01.MAIN/PD23: J2.46 J6.5 U4.F13
/01.MAIN/PD24: J2.48 J6.6 U4.F14
/01.MAIN/PD25: J2.44 J6.3 U4.F15
/01.MAIN/PD26: R29.1 U4.F16
/01.MAIN/PD27: R28.1 U4.F17
/01.MAIN/PD28: R84.2 R103.1 U4.G13
/01.MAIN/PD29: R85.1 R102.1 U4.G14
/01.MAIN/PD30: R80.1 R87.1 R98.1 U4.G16
/01.MAIN/PD31: R86.2 R94.1 U4.G17
/01.MAIN/PE0: R90.1 R105.1 U4.H13
/01.MAIN/PE1: R99.1 U4.H14
/01.MAIN/PE2: R91.1 R92.1 U4.H15
/01.MAIN/PE3: R73.1 R79.1 R89.1 U4.H16
/01.MAIN/PE4: R71.1 R88.1 U4.H17
/01.MAIN/PE5: R104.1 U4.J13
/01.MAIN/PE6: R101.1 U4.J14
/01.MAIN/PE7: R96.1 U4.J15
/01.MAIN/PE8: R13.2 TP9.1 U4.J16 U10.C2
/01.MAIN/PE9: TP17.1 U4.J17 U10.B2
/01.MAIN/PE10: TP10.1 U4.K16 U10.C4
/01.MAIN/PE11: TP7.1 U4.K17 U10.D3
/01.MAIN/PE12: TP11.1 U4.L16 U10.D4
/01.MAIN/PE13: TP8.1 U4.L17 U10.D2
/01.MAIN/PE14: U4.K13
/01.MAIN/PE15: U4.K14
/01.MAIN/PE16: U4.K15
/01.MAIN/PE17: U4.L13
/01.MAIN/PE18: U4.L14
/01.MAIN/PE19: U4.M13
/01.MAIN/PE20: U4.M14
/01.MAIN/PE21: U4.M15
/01.MAIN/PE22: U4.M16
/01.MAIN/PE23: U4.M17
/01.MAIN/PE24: U4.N13
/01.MAIN/PE25: U4.N14
/01.MAIN/PE26: U4.N15
/01.MAIN/PE27: U4.N16
/01.MAIN/PE28: U4.N17
/01.MAIN/PE29: U4.P15
/01.MAIN/PE30: U4.P16
/01.MAIN/PE31: U4.P17
/01.MAIN/PF0: C112.1 R75.2 U1.12 U4.R17
/01.MAIN/PF1: R74.1 U1.31 U4.T17
/01.MAIN/PF2: U4.R16
/01.MAIN/PF3: LED2.2 U4.T16
/01.MAIN/PF4: C58.1 R22.2 SW2.4 U4.U16
/01.MAIN/PF5: U4.R15
/01.MAIN/PF6: U4.T15
/01.MAIN/PF7: U4.U15
/01.MAIN/PF8: U4.R14
/01.MAIN/PF9: U4.T14
/01.MAIN/PF10: U4.U14
/01.MAIN/PY0: R50.2 U4.U6
/01.MAIN/PY1: R47.2 U4.T6
/01.MAIN/PY2: R49.2 U4.R6
/01.MAIN/PY3: R48.2 U4.R5
/01.MAIN/PY4: R42.2 U4.P6
/01.MAIN/PY5: U4.N6
/01.MAIN/PY6: R37.2 U4.U5
/01.MAIN/PY7: R36.2 U4.T5
/01.MAIN/PZ0: U4.R10
/01.MAIN/PZ1: C48.1 R57.2 SW1.4 U4.R9
/01.MAIN/PZ2: U4.N11
/01.MAIN/PZ3: U4.P11
/01.MAIN/PZ4: U4.N10
/01.MAIN/PZ5: U4.P10
/01.MAIN/PZ6: R26.2 U4.N9
/01.MAIN/PZ7: R39.2 U4.P9
/01.MAIN/USB0_N: L7.2 U4.T12
/01.MAIN/USB0_P: L7.3 U4.U12
/01.MAIN/USB1_N: R10.2 U4.T13
/01.MAIN/USB1_P: R11.2 U4.U13
CK_N: U4.C9
CK_P: U4.A9 U5.B2
DCDC_GND: C90.2 C91.2 C96.2 R100.2 U4.R1 U4.R2
DCDC_IN: C90.1 C91.1 C96.1 FB6.1 U4.T3 U4.U2 U4.U3
DCDC_LP: L3.1 R109.2 U4.T1 U4.T2
Earth: C161.2 J3.1 J3.2 J3.3 J3.4
VANA: C106.1 C107.1 FB8.1 U4.N12
Net-(C10-Pad1): C4.1 C5.1 C9.1 C10.1 J2.72 J2.74 R66.1
Net-(C22-Pad1): C22.1 C29.1 C32.1 C35.1 J2.2 J2.4 R65.1
Net-(C57-Pad2): C57.2 J4.1 J4.2 J4.3 J4.4
Net-(C110-Pad1): C110.1 R109.1
Net-(C121-Pad1): C21.1 C23.1 C24.1 C121.1 FB4.2 L1.2 R192.2
Net-(C150-Pad2): C150.2 R158.1 R159.1 R160.1 R161.1
Net-(D1-A): C52.1 D1.2 U13.1
Net-(D3-A): C55.1 D3.2 J4.A4 J4.A9 J4.B4 J4.B9
Net-(J3-CC1): J3.A5 R33.1
Net-(J3-CC2): J3.B5 R34.1
Net-(J9-TCK): J9.9 R49.1 R450.1
Net-(J9-TDI): J9.5 R47.1 R449.2
Net-(J9-TDO): J9.13 R50.1
Net-(J9-TMS): J9.7 R48.1 R448.2
Net-(J9-TRST): J9.3 R42.1 R51.2
Net-(JP1-A): FB2.2 JP1.1
Net-(JP1-B): FB1.2 JP1.3
Net-(JP2-A): FB3.2 JP2.1
Net-(JP2-B): FB7.2 JP2.3
Net-(L2-Pad2): L2.2 R10.1
Net-(L2-Pad3): L2.3 R11.1
Net-(LED1-A): LED1.2 R7.1
Net-(LED2-K): LED2.1 R24.2
Net-(P3-Pad9): P3.9 R157.1
Net-(P3-Pad11): P3.11 R155.1
Net-(Q1-D): Q1.3 R40.1
Net-(Q1-G): Q1.1 R44.1 R45.2
Net-(Q1-S): Q1.2 R30.1 R43.2 U3.4
Net-(SW5-PIN3): R39.1 SW5.3
Net-(SW5-PIN4): R26.1 SW5.4
Net-(U1-CFG_EXT/LED0): R83.2 U1.32
Net-(U1-REG_OUT/LDO_OUT): L4.1 U1.30
Net-(U1-RSET): R78.2 U1.39
Net-(U1-TXC): R99.2 TP39.1 U1.20
Net-(U1-TXCTL): R105.2 TP44.1 U1.19
Net-(U1-TXD0): R101.2 TP40.1 U1.18
Net-(U1-TXD1): R102.2 TP41.1 U1.17
Net-(U1-TXD2): R103.2 TP42.1 U1.16
Net-(U1-TXD3): R104.2 TP43.1 U1.15
Net-(U4B-XTAL_IN): C81.1 R93.2 U4.T10 X2.3
Net-(U4B-XTAL_OUT): C82.1 R93.1 U4.U10 X2.1
Net-(U4E-USB0_VBUS): C46.1 R56.2 U4.R12
Net-(U4E-USB1_VBUS): C85.1 R97.2 U4.R13
Net-(U5-DNU(PSC)): TP47.1 U5.B5
Net-(U5-VCC): C49.1 C53.1 C54.1 C65.1 R59.1 R60.1 R61.1 R63.1 U5.B4 U5.D1 U5.E4
Net-(U8-EN): R14.1 R15.1 U8.4
Net-(U10-DNU(PSC)): TP46.1 U10.B5
Net-(U11-EN): R9.2 U11.5
Net-(U11-SW): C20.2 L1.1 U11.2
Net-(U11-VBST): C20.1 U11.6
Net-(U11-VFB): C21.2 R72.2 R192.1 U11.4
Net-(U13-EN): R31.2 U13.4
Net-(U13-IADJ): R32.2 U13.3
Net-(U13-IN): C51.1 J3.A4 J3.A9 J3.B4 J3.B9 U13.5
Net-(U16-MCT1): R161.2 U16.24
Net-(U16-MCT2): R160.2 U16.21
Net-(U16-MCT3): R159.2 U16.18
Net-(U16-MCT4): R158.2 U16.15
Net-(U16-TCT1): C145.1 U16.1
Net-(U16-TCT2): C146.1 U16.4
Net-(U16-TCT4): C148.1 U16.10
Net-(U16-TDT3): C147.1 U16.7
Net-(U17-RXD): R35.1 R37.1 U17.9
Net-(U17-TXD): R20.1 R36.1 U17.8
Net-(U17-~{CTS}): R38.2 U17.5
Net-(U17-~{RTS}): R38.1 U17.4
Net-(USB1-SHLD): C47.1 USB1.5
Net-(X1-OUT): R67.1 X1.3
Net-(X1-TRI_state): R69.1 R70.1 X1.1
Net-(X1-VDD): R68.1 X1.4

Pads without a net: J2 3 5 6 8 10 12 14 16 21 23 35 37 41 43 47 49 52 53 55 58 59 60 61 62 64 65 66 67 68 70 71 73 76 77 78; J3 A8 B8; J4 A5 A8 B5 B8; J6 7; J9 2 11 15 17 19; SW1 1 3; SW2 1 3; U1 35; U4 T8 U8; U5 A2 A3 B1 C5; U8 3; U10 A2 A3 B1 C5; U17 6

## Via types
v1: diameter 0.406, hole 0.254, Top to Bottom, 753 vias

## Routing (per net, layer and track width the routed paths; a pad name or vN(x,y) marks a point on that pad's centre or on a via; arc(x,y) is an arc through that point)
+1V8: length 29.5
  Top w0.102: 99.86,31.4 U9.2
  Top w0.889: v1(99.22,18.58) 99.24,18.6 C42.1 ; 99.22,20.02 C43.1 ; C43.1 99.24,21.69 C45.1 99.6,23.42 U9.2 ; C43.1 99.22,20.64
  Top w1.016: U9.2 U9.2
  Bottom w0.102: v1(99.47,18.98) 99.47,18.83 v1(99.22,18.58) 99.01,18.79 v1(99.01,18.98) ; 99.95,18.58 100.05,18.48
  Bottom w0.508: v1(99.22,18.58) 96.61,15.97 FB2.1
  Bottom w0.762: v1(73.12,46.75) 70.33,49.54 66.88,49.54
  vias: v1(72.84,47.04) v1(89.43,45.35) v1(89.75,44.98)
+3.3V: length 64.6
  Top w0.102: v1(31.71,54.34) 31.66,54.29 R14.2 ; v1(9.71,2.67) 9.69,2.69 R7.2
  Top w0.15: U4.F10 v1(67.34,30.27) ; U4.F11 v1(68.14,30.27)
  Top w0.152: R82.2 R3.2 34.45,11.27 v1(34.44,11.26)
  Top w0.2: U4.M12 v1(68.94,24.67) ; U4.T7 U4.U7 ; U4.L12 v1(68.94,25.47) ; U4.M10 v1(67.34,24.67) ; U4.J6 v1(63.34,27.87) ; U4.G6 v1(63.34,29.47) ; U4.L6 v1(63.34,25.47) ; U4.H6 v1(63.34,28.67) ; SW5.2 SW5.1 97,2.78 v1(96.96,2.82) ; U4.M11 v1(68.14,24.67) ; U4.M6 v1(63.34,24.67) ; v1(65.94,20.33) 66.14,20.53 U4.U9 U4.T9 ; U4.R4 v1(61.74,22.27) ; U4.K6 v1(63.34,26.27)
  Top w0.254: R20.2 R35.2 94.79,36.44 v1(94.84,36.39) ; U4.U7 64.54,20.57 v1(64.6,20.51) ; U17.10 94.39,41.92 v1(94.37,41.94) ; v1(92.89,41.9) U17.7
  Bottom w0.102: v1(90.79,6.62) 90.76,6.59 R57.1 ; v1(94.37,41.94) 94.28,42.03 C56.1 93.02,42.03 v1(92.89,41.9) ; v1(48.4,0.58) v1(54.85,0.58) 57.08,0.58 ; R76.2 46.7,34.09 v1(46.69,34.1) ; R22.1 83.02,6.7 v1(83.04,6.68)
  Bottom w0.152: v1(65.94,20.33) 65.87,20.26
  Bottom w0.203: v1(64.6,20.51) 64.39,20.72 63.86,20.72 C13.2
  Bottom w0.254: R83.1 41.66,20.03 FB10.2 ; C2.1 C1.2 68.23,30.86 68.23,30.36 v1(68.14,30.27) v1(67.34,30.27) ; v1(63.34,28.67) 63.28,28.73 62.4,28.73 ; v1(63.34,28.67) v1(63.34,27.87) 63.26,27.95 C59.1 ; v1(63.34,28.67) v1(63.34,29.47) ; v1(73.51,22.98) 73.53,22.97 FB8.2 ; v1(68.94,24.67) v1(67.34,24.67) ; v1(68.94,24.67) v1(68.94,25.47) 69.47,25.47 C33.2 C25.1 68.95,24.66 v1(68.94,24.67) ; v1(45.24,34.37) 45.23,34.36 R77.2 ; C68.2 62.84,25.17 v1(63.34,24.67) v1(63.34,26.27) 63.11,26.04 C67.1 ; v1(65.94,20.33) 66.26,20.65 C69.1 C70.2 65.32,20.45 FB5.1 ; v1(75.62,16.51) 75.59,16.54 R74.2 74.88,15.62 R75.1 ; 61.75,22.28 v1(61.74,22.27)
  Bottom w0.381: v1(49.61,31.84) 49.63,31.82 FB9.2 ; v1(61.74,22.27) 61.73,22.26 C34.1 ; v1(42.51,18.17) v1(42.51,18.64) 41.54,19.61 FB10.2
  Bottom w0.508: v1(85.94,15.02) 85.94,15.9 FB1.1
  vias: v1(36.38,46.93) v1(36.81,46.93) v1(37.23,46.93) v1(37.65,46.93) v1(49.64,31.39) v1(54.73,48.31) v1(54.72,47.82) v1(61.65,16.68) v1(62.02,16.39) v1(62.06,16.89) v1(81.56,58.66) v1(81.56,58.22) v1(81.56,57.77) v1(81.99,73.33) v1(81.99,72.89) v1(82.39,73.08)
